# Altium PCB PCB.PcbDoc (part 2 of 3) (continued)
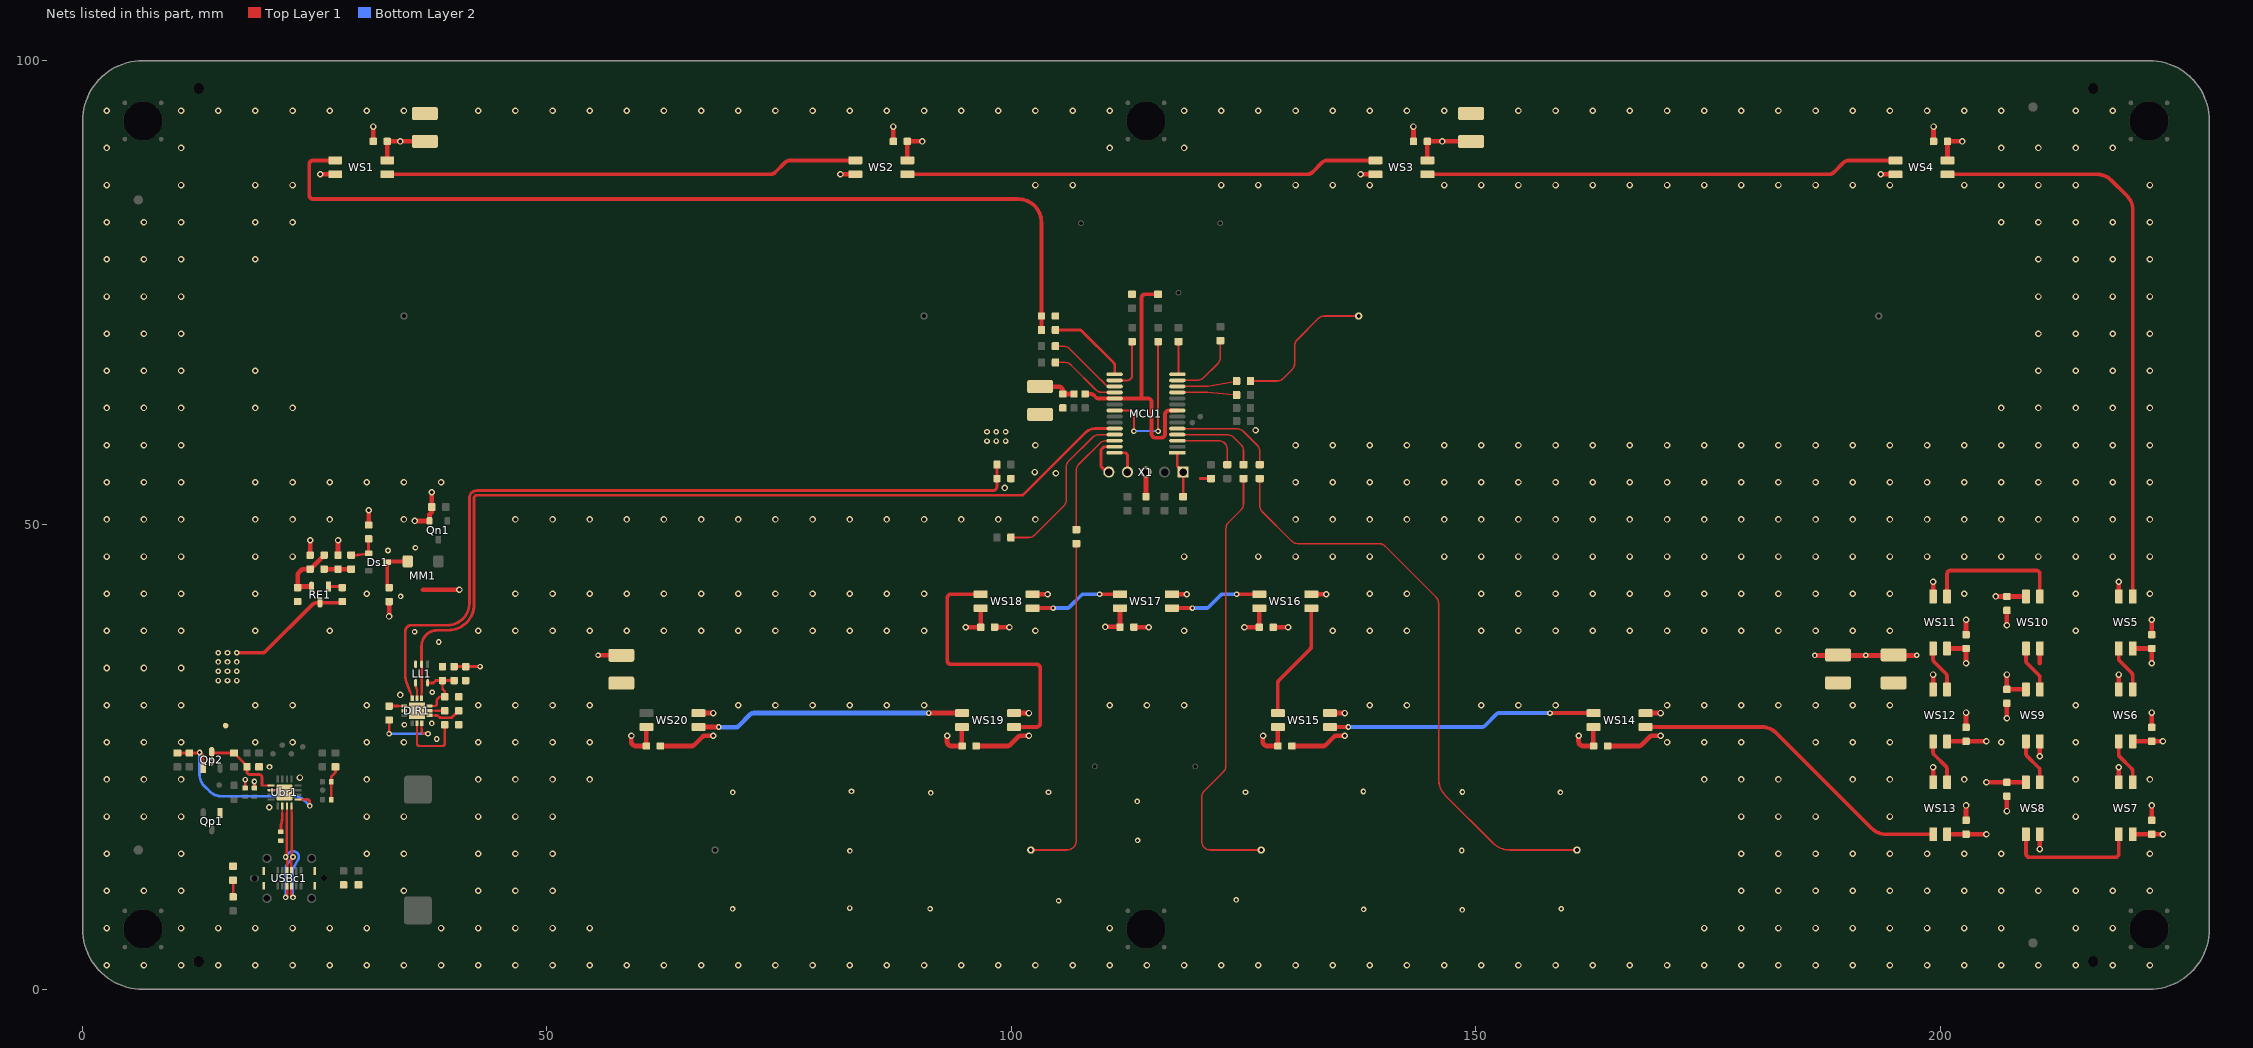
[diagram p2: the nets of this part, all layers, seen from the top]
## Part data (continued)
R29: library part "0603 10 Ohm ±1% (B)", "10 R (XIO) ±1% 1/10W 50V ±400ppm/°C", Case/Package=0603, Manufacturer 1="Uniroyal Elec", Manufacturer Part Number 1=0603WAF100JT5E, Operating Temperature="-55°C ~ 155°C", Power (Watts)=1/10W, Supplier Part Number 1=C22859, Temperature Coefficient=±400ppm/°C, Tolerance=±1%, Voltage=50V, Assembly type="Basic Part", Detailed Description="100mW Thick Film Resistors ±1% ±400ppm/℃ 10Ω 0603  Chip Resistor - Surface Mount ROHS", Footprint check status=Verified, HelpURL=https://datasheet.lcsc.com/szlcsc/Uniroyal-Elec-0603WAF100JT5E_C22859.pdf, MountType=SMD, Note="Chip Resistor - Surface Mount", Publisher="Catcatcat Electronics", QuantityElements=1, Supplier 1=LCSC, Supplier Unit Price 1=0.0009, Supplier URL 1=https://jlcpcb.com/parts/componentSearch?searchTxt=C22859, website developer=http://catcatcat.d-lan.dp.ua/
RE1: library part "XC6206P332MR (B)", "LDO 5.0V 3.3V 200mA Fixed 3.3V~3.3V Positive 6V SOT-23-3L  Linear Voltage Regulators (LDO) ROHS", Case/Package=SOT-23-3L, Current - Output (Max)=200mA, Manufacturer 1="Torex Semicon", Operating Temperature="-40C to +85C", Supplier Part Number 1=C5446, Voltage=3.3V, Voltage - Input (Min)/(Max)=5V, Assembly type="Basic Part", Detailed Description="200mA Fixed 3.3V~3.3V Positive 6V SOT-23-3L  Linear Voltage Regulators (LDO) ROHS", Footprint check status=Verified, HelpURL=https://eu.mouser.com/datasheet/2/760/TOSL_S_A0007229533_1-2575067.pdf, Manufacturer Part Number 1=XC6206P332MR, Marking=662V, MountType=SMD, Note="LOW DROPOUT REGULATORS(LDO)", Publisher="Catcatcat Electronics", QuantityElements=1, Supplier 1=LCSC, Supplier Unit Price 1=0.0992, Supplier URL 1=https://jlcpcb.com/parts/componentSearch?searchTxt=C5446, website developer=http://catcatcat.d-lan.dp.ua/
RN1 RN2 RN3 RN4 RN5 RN6: library part "Round Nut M2.5xL7.0S (E)", "Nuts Tinning Copper, M2.5 Round Nut L7.0mm", Case/Package=SMD-M2.5x5.56xLxx+1.53, Manufacturer 1=Sinhoo, Supplier Part Number 1=C2916328, Assembly type="Extended Part", Detailed Description="Round Nut M2.5x5.56xLxx+1.53  Nuts ROHS", Footprint check status=Verified, HelpURL=https://datasheet.lcsc.com/lcsc/2112061830_Sinhoo-SMTSO2570CTJ_C2916328.pdf, Manufacturer Part Number 1=SMTSO2570CTJ, MountType=SMD+TH, Note="Round Nut", Publisher="Catcatcat Electronics", Supplier 1=LCSC, Supplier Unit Price 1=0.0965, Supplier URL 1=https://www.lcsc.com/product-detail/SMD-round-nut_Sinhoo-SMTSO2570CTJ_C2916328.html, website developer=http://catcatcat.d-lan.dp.ua/
TO1 TO2 TO3 TO4: library part Tooling_Holes_1.152MM, "For Assembly", Case/Package="Tooling Hole 1.152mm", Assembly type="Tooling Hole", Footprint check status=Verified, Note="Tooling Hole", Publisher="Catcatcat Electronics", Supplier 1=LCSC, Supplier URL 1=https://jlcpcb.com/parts/componentSearch?searchTxt=, website developer=http://catcatcat.d-lan.dp.ua/
TP1 TP2 TP3 TP4 TP5 TP6 TP7 TP8 TP9: library part "Test_Point smd_0.6", "Test Point TOP", Assembly type="Test Point", Footprint check status=Verified, Note="Test Point", Publisher="Catcatcat Electronics", Supplier 1=LCSC, Supplier URL 1=https://jlcpcb.com/parts/componentSearch?searchTxt=, website developer=http://catcatcat.d-lan.dp.ua/
TSE1 TSE2 TSE3 TSE4 TSE5 TSE6 TSE7 TSE8: "Touch Sensors,", Case/Package=d10mm, Assembly type="PCB component", Footprint check status=Verified, Publisher="Catcatcat Electronics", website developer=http://catcatcat.d-lan.dp.ua/
Ubr1: library part "CH343P (E)", "USB Bridge, USB 2.0 Transceiver 2Mbps TQFN-16-EP(3x3)", Case/Package=TQFN-16-EP(3x3), Manufacturer 1="WCH(Jiangsu Qin Heng)", Supplier Part Number 1=C2846043, Assembly type="Extended Part", Detailed Description="USB 2.0 Transceiver 2Mbps SOP-16_150mil USB ICs ROHS", Footprint check status=Verified, HelpURL=https://datasheet.lcsc.com/lcsc/2108172330_WCH-Jiangsu-Qin-Heng-CH343P_C2846043.pdf, Manufacturer Part Number 1=CH343P, MountType=SMD, Note=USB, Publisher="Catcatcat Electronics", QuantityElements=1, Supplier 1=LCSC, Supplier Unit Price 1=1.1284, Supplier URL 1=https://jlcpcb.com/parts/componentSearch?searchTxt=C2846043, website developer=http://catcatcat.d-lan.dp.ua/
USBc1: library part "GT-USB-7055E (E)", "Type C V USB 2.0 5A 1 Brick nogging 16P Female -40℃~+85℃ Gold High Conductivity Copper Type-C SMD  USB Connectors ROHS", Case/Package=SMD, Manufacturer 1=G-Switch, Supplier Part Number 1=C7450622, Temp.Characteristic="-20C to +70C", Assembly type="Extended Part", Detailed Description="USB 2.0 5A 1 Brick nogging 16P Female -40℃~+85℃ Gold High Conductivity Copper Type-C SMD  USB Connectors ROHS", Footprint check status=Verified, HelpURL=https://wmsc.lcsc.com/wmsc/upload/file/pdf/v2/lcsc/2307121106_G-Switch-GT-USB-7055E_C7450622.pdf, Manufacturer Part Number 1=GT-USB-7055E, MountType=SMT/TH, Note="DIP+SMD USB Connectors RoHS", Publisher="Catcatcat Electronics", QuantityElements=1, Supplier 1=LCSC, Supplier Unit Price 1=0.2603, Supplier URL 1=https://www.lcsc.com/product-detail/USB-Connectors_G-Switch-GT-USB-7055E_C7450622.html, website developer=http://catcatcat.d-lan.dp.ua/
WS1 WS2 WS3 WS4 WS5 WS6 WS7 WS8 WS9 WS10 WS11 WS12 WS13 WS14 WS15 WS16 WS17 WS18 WS19 WS20: library part "SK6812MINI-EA (E)", "TTB 12mA 5.2V -40℃~+80℃ RGB LEDs(Built-in IC)", Case/Package=SMD, Manufacturer 1="OPSCO Optoelectronics", Supplier Part Number 1=C5378731, Temp.Characteristic="-40C to +85C", Voltage=+3.7~+5.3V, Assembly type="Extended Part", Data Protocol=NRZ, Data structure="GRB 24bit", Detailed Description="12mA 5.2V -40℃~+80℃ RGB SMD  Light Emitting Diodes (LED) ROHS", Footprint check status=Verified, HelpURL=https://datasheet.lcsc.com/lcsc/2304101800_OPSCO-Optoelectronics-SK6812MINI-EA_C5378731.pdf, Manufacturer Part Number 1=SK6812MINI-EA, MountType=SMD, Note="IN THE HOLE OF THE PCB", Publisher="Catcatcat Electronics", QuantityElements=1, Supplier 1=LCSC, Supplier Unit Price 1=0.1573, Supplier URL 1=https://www.lcsc.com/product-detail/Light-Emitting-Diodes-LED_OPSCO-Optoelectronics-SK6812MINI-EA_C5378731.html, website developer=http://catcatcat.d-lan.dp.ua/
X1: "2.0 mm", Operating Temperature=-40℃~+105℃, Temp.Characteristic="-40C to +85C", Assembly type="Manual Part", Footprint check status=Verified, Manufacturer 1=http://www.jinlingdz.com, MountType=TH, Note=Connector, Publisher="Catcatcat Electronics", QuantityElements=1, Supplier URL 1=https://jlcpcb.com/parts/componentSearch?searchTxt=, website developer=http://catcatcat.d-lan.dp.ua/

## Via types
v1: diameter 0.7, hole 0.4, Top Layer 1 to Bottom Layer 2, tented both sides, 616 vias
v2: diameter 0.6, hole 0.3, Top Layer 1 to Bottom Layer 2, tented both sides, 83 vias

## Nets (pads, with @x,y where several pads share a name; then routed paths per layer and width w, separated by ;. In a path a pad name is that pad's centre, name@x,y a point inside that pad or via, vN(x,y) a via of type N, cw(c..) or ccw(c..) an arc to the next point about the centre after c; other vN are vias at no path point)
+3.3V: C14.2 C17.2 FB3.2 RE1.2 | length 6.7
  Top Layer 1 w0.5: RE1.2@24.656,43.379 23.3,43.379 C17.2@23.15,43.259 23.15,44.543 cw(c23.65,44.543) 23.295,44.895 23.504,45.104 cw(c23.857,44.75) 23.857,45.25 C14.2@24.5,45.25 FB3.2@26,46.75
+5.0V: C4.2 C5.1 C7.2 C16.2 C18.1 C19.1 C20.1 C21.1 C22.1 C24.2 C25.2 C26.2 C27.2 C28.2 C29.2 C30.2 C31.2 C32.2 C33.2 C34.2 C35.2 C36.2 C37.2 C38.2 C39.2 C40.2 C41.2 C42.2 C43.2 FB1.1 FB2.2 LD4.2 Qp2.3 R25.2 RE1.3 TP8.1 Ubr1.1 WS1.1 WS2.1 WS3.1 WS4.1 WS5.1 WS6.1 WS7.1 WS8.1 WS9.1 WS10.1 WS11.1 WS12.1 WS13.1 WS14.1 WS15.1 WS16.1 WS17.1 WS18.1 WS19.1 WS20.1 | length 125.4
  Top Layer 1 w0.2: 19.304,21.976 19.33,21.95 Ubr1.1@20.3,21.95
  Top Layer 1 w0.3: Qp2.3@13.9,25.577 14.027,25.45 R25.2@16.305,25.45 17.555,24.2 LD4.2@17.7,23.95 ; LD4.2@17.7,23.995 17.7,23.429 ccw(c18,23.429) 18,23.129 19.004,23.129 cw(c19.004,22.829) 19.304,22.829 19.304,21.976 ; FB2.2@40,34.75 C7.2@41.25,34.75 v2(42.8,34.75)
  Top Layer 1 w0.4: v2(16.6,36.25) 19.389,36.25 ccw(c19.389,36.65) 19.671,36.367 24.697,41.392 cw(c25.262,40.826) 25.262,41.626 27.757,41.626 C16.2@27.957,41.759
  Top Layer 1 w0.5: WS1.1@32.8,89.25 C24.2@32.8,91.3 C18.1@36.847,91.3 ; v2(55.5,35.97) C20.1@58,35.97 ; v1@59.074,27.274 59.074,26.7 ccw(c59.574,26.7) 59.574,26.2 C43.2@60.7,26.2 ; C43.2@60.674,26.226 WS20.1@60.674,28.224 ; WS2.1@88.8,89.25 C25.2@88.8,91.3 v1(90.4,91.3) ; v1@93.074,27.274 93.074,26.7 ccw(c93.574,26.7) 93.574,26.2 C42.2@94.7,26.2 ; C42.2@94.674,26.226 WS19.1@94.674,28.224 ; v1(95.1,39) C41.2@96.7,39 WS18.1@96.7,41.05 ; C5.1@103.1,64.9 105.05,64.9 cw(c105.05,64.4) 105.55,64.4 C4.2@105.55,64.1 FB1.1@106.75,64.1 ; v1(110.1,39.025) 111.7,39.025 WS17.1@111.7,41.05 ; v1(125.1,39) C39.2@126.7,39 WS16.1@126.7,41.05 ; v1@127.074,27.274 127.074,26.7 ccw(c127.574,26.7) 127.574,26.2 C38.2@128.7,26.2 ; C38.2@128.674,26.226 WS15.1@128.674,28.224 ; WS3.1@144.8,89.25 C26.2@144.8,91.3 v1(146.4,91.3) C19.1@149.5,91.3 ; v1@161.074,27.274 161.074,26.7 ccw(c161.574,26.7) 161.574,26.2 C37.2@162.7,26.2 ; C37.2@162.674,26.226 WS14.1@162.674,28.224 ; v2(186.5,35.95) v2@197.423,35.95 ; WS13.1@200.75,16.7 C36.2@202.8,16.7 202.95,16.7 v1(205,16.7) ; WS12.1@200.75,26.7 C35.2@202.8,26.7 v1(205,26.7) ; WS11.1@200.75,36.7 C34.2@202.8,36.7 v1(202.8,35.1) ; WS4.1@200.8,89.25 C27.2@200.8,91.3 v1(202.4,91.3) ; v1(205,22.3) C31.2@207.2,22.3 WS8.1@209.25,22.3 ; v1(206,42.3) 207.05,42.3 C33.2@207.2,42.3 WS10.1@209.25,42.3 ; v1(207.2,33.9) C32.2@207.2,32.3 WS9.1@209.25,32.3 ; WS7.1@220.75,16.7 C30.2@222.8,16.7 222.95,16.7 v1(224,16.7) ; WS6.1@220.75,26.7 C29.2@222.8,26.7 v1(224,26.7) ; WS5.1@220.75,36.7 C28.2@222.8,36.7 v1(222.8,35.1)
  other v1: 59.1,27.3 93.1,27.3 127.1,27.3 161.1,27.3 34.2,91.3
  other v2: 14.6,33.25 15.6,33.25 16.6,33.25 14.6,34.25 15.6,34.25 16.6,34.25 14.6,35.25 15.6,35.25 16.6,35.25 192,35.974 197.5,35.974 14.6,36.25 15.6,36.25 97.378,59.028 98.378,59.028 99.378,59.028 97.378,60.028 98.378,60.028 99.378,60.028
\MCLR: MCU1.1 R2.2 X1.1 | length 5
  Top Layer 1 w0.3: MCU1.1@117.875,57.775 117.875,56.325 X1.1@118.5,55.7 R2.2@118.5,53.05
AND: R16.2 TSE3.1 | length 16
  Top Layer 1 w0.17: R16.2@125.75,65.5 128.613,65.5 ccw(c128.613,66.435) 129.273,65.773 130.227,66.727 ccw(c129.565,67.387) 130.5,67.387 130.5,69.288 cw(c131.435,69.288) 130.773,69.948 133.052,72.227 cw(c133.712,71.565) 133.712,72.5 TSE3.1@137.4,72.5
BUZZER: C2.2 DIR1.3 R3.2 | length 87.1
  Top Layer 1 w0.2: 35.284,32 35.475,31.5 DIR1.3@35.5,31.35
  Top Layer 1 w0.3: 35.284,32 34.858,33.115 cw(c36.4,33.702) 34.75,33.702 34.75,38.562 cw(c35.388,38.562) 35.388,39.2 39.252,39.2 ccw(c39.252,41.598) 41.65,41.598 41.65,52.898 41.65,52.9 cw(c42.45,52.9) 42.45,53.7 97.996,53.7 ccw(c97.996,54) 98.029,53.702 98.058,53.705 ccw(c98.009,54.151) 98.458,54.151 R3.2@98.458,56.5
D_N: Ubr1.8 USBc1.A7 USBc1.B7 | length 12.9
  Top Layer 1 w0.2: 22.5,18.95 Ubr1.8@22.5,19.75
  Top Layer 1 w0.266: USBc1.A7@22,11.15 22.017,11.133 v2@22.017,10.056 ; USBc1.B7@22.5,12.75 22.483,12.767 22.483,13.993 22.65,14.16 v2(22.65,14.25) 22.5,14.4 22.5,18.95
  Bottom Layer 2 w0.266: v2(21.85,9.9) 21.85,12.913 cw(c22.916,12.913) 21.99,13.442 cw(c22.686,13.046) 22.102,13.594 22.312,13.817 ccw(c21.85,14.25) 22.351,13.863 v2(22.65,14.25)
D_P: Ubr1.7 USBc1.A6 USBc1.B6 | length 14.8
  Top Layer 1 w0.2: 22,18.95 Ubr1.7@22,19.75
  Top Layer 1 w0.266: USBc1.B6@22,12.75 22.017,12.767 22.017,13.313 22.017,13.993 21.85,14.16 v2(21.85,14.25) 22,14.4 22,18.95 ; v2@22.483,10.056 22.483,10.587 22.483,11.133 USBc1.A6@22.5,11.15
  Bottom Layer 2 w0.266: v2(21.85,14.25) 22.149,14.637 cw(c22.65,14.25) 23.198,13.933 22.686,13.046 ccw(c22.916,12.913) 22.65,12.913 v2(22.65,9.9)
DA01: C23.2 R22.2 WS1.4 | length 98.5
  Top Layer 1 w0.4: WS1.4@27.2,89.25 24.8,89.25 ccw(c24.8,88.85) 24.4,88.85 24.4,85.5 ccw(c24.8,85.5) 24.8,85.1 100.699,85.1 100.7,85.1 cw(c100.691,82.541) 103.25,82.55 103.25,82.548 103.25,72.7 R22.2@103.25,71
DA02: WS1.2 WS2.4 | length 51
  Top Layer 1 w0.4: WS1.2@32.8,87.75 74.019,87.75 ccw(c74.019,88.55) 74.583,87.983 75.617,89.017 cw(c76.181,88.45) 76.181,89.25 WS2.4@83.2,89.25
DA03: WS2.2 WS3.4 | length 51
  Top Layer 1 w0.4: WS2.2@88.8,87.75 131.855,87.75 ccw(c131.855,88.55) 132.419,87.983 133.453,89.017 cw(c134.017,88.45) 134.017,89.25 WS3.4@139.2,89.25
DA04: WS3.2 WS4.4 | length 51
  Top Layer 1 w0.4: WS3.2@144.8,87.75 188.019,87.75 ccw(c188.019,88.55) 188.583,87.983 189.617,89.017 cw(c190.181,88.45) 190.181,89.25 WS4.4@195.2,89.25
DA05: WS4.2 WS5.4 | length 63.5
  Top Layer 1 w0.4: WS4.2@200.8,87.75 216.912,87.75 cw(c216.912,85.55) 218.468,87.106 220.106,85.468 cw(c218.55,83.912) 220.75,83.912 WS5.4@220.75,42.3
DA06: WS5.2 WS6.4 | length 5
  Top Layer 1 w0.4: WS5.2@219.25,36.7 219.25,35.611 ccw(c219.65,35.611) 219.367,35.329 220.634,34.062 cw(c220.35,33.78) 220.75,33.78 WS6.4@220.75,32.3
DA07: WS6.2 WS7.4 | length 5
  Top Layer 1 w0.4: WS6.2@219.25,26.7 219.25,25.31 ccw(c219.65,25.31) 219.367,25.028 220.633,23.761 cw(c220.35,23.479) 220.75,23.479 WS7.4@220.75,22.3
DA08: WS7.2 WS8.4 | length 14.6
  Top Layer 1 w0.4: WS8.4@209.25,16.7 209.25,14.617 ccw(c209.65,14.617) 209.65,14.217 218.85,14.217 ccw(c218.85,14.617) 219.25,14.617 WS7.2@219.25,16.7
DA09: WS8.2 WS9.4 | length 5
  Top Layer 1 w0.4: WS9.4@209.25,26.7 209.25,25.407 ccw(c209.65,25.407) 209.367,25.124 210.633,23.858 cw(c210.35,23.575) 210.75,23.575 WS8.2@210.75,22.3
DA10: WS9.2 WS10.4 | length 5
  Top Layer 1 w0.4: WS10.4@209.25,36.7 209.25,35.39 ccw(c209.65,35.39) 209.367,35.107 210.633,33.841 cw(c210.35,33.558) 210.75,33.558 WS9.2@210.75,32.3
DA11: WS10.2 WS11.4 | length 15.3
  Top Layer 1 w0.4: WS11.4@200.75,42.3 200.75,44.7 cw(c201.15,44.7) 201.15,45.1 210.35,45.1 cw(c210.35,44.7) 210.75,44.7 WS10.2@210.75,42.3
DA12: WS11.2 WS12.4 | length 5
  Top Layer 1 w0.4: WS11.2@199.25,36.7 199.25,35.534 ccw(c199.65,35.534) 199.367,35.252 200.634,33.985 cw(c200.35,33.703) 200.75,33.703 WS12.4@200.75,32.3
DA13: WS12.2 WS13.4 | length 5
  Top Layer 1 w0.4: WS12.2@199.25,26.7 199.25,25.535 ccw(c199.65,25.535) 199.367,25.253 200.634,23.986 cw(c200.35,23.704) 200.75,23.704 WS13.4@200.75,22.3
DA14: WS13.2 WS14.4 | length 35.5
  Top Layer 1 w0.4: WS14.4@168.3,28.25 180.807,28.25 cw(c180.807,26.05) 182.362,27.606 192.624,17.344 ccw(c194.179,18.9) 194.179,16.7 WS13.2@199.25,16.7
DA15: WS14.2 WS15.4 | length 29
  Top Layer 1 w0.4: WS15.4@134.3,28.25 v2(136.3,28.25) ; v2(158,29.75) WS14.2@162.7,29.75
  Bottom Layer 2 w0.4: v2(136.3,28.25) 150.684,28.25 ccw(c150.684,28.65) 150.967,28.367 152.233,29.633 cw(c152.516,29.35) 152.516,29.75 v2(158,29.75)
DA16: WS15.2 WS16.4 | length 12.8
  Top Layer 1 w0.4: WS15.2@128.7,29.75 128.7,32.992 cw(c129.1,32.992) 128.817,33.274 132.183,36.641 ccw(c131.9,36.923) 132.3,36.923 WS16.4@132.3,41.05
DA17: WS16.2 WS17.4 | length 10
  Top Layer 1 w0.4: WS17.4@117.3,41.05 v2(119.5,41.05) ; v2(124.25,42.55) WS16.2@126.7,42.55
  Bottom Layer 2 w0.4: v2(119.5,41.05) 120.984,41.05 ccw(c120.984,41.45) 121.267,41.167 122.533,42.433 cw(c122.816,42.15) 122.816,42.55 v2(124.25,42.55)
DA18: WS17.2 WS18.4 | length 10
  Top Layer 1 w0.4: WS18.4@102.3,41.05 v2(104.5,41.05) ; v2(109.5,42.55) WS17.2@111.7,42.55
  Bottom Layer 2 w0.4: v2(104.5,41.05) 105.984,41.05 ccw(c105.984,41.45) 106.267,41.167 107.533,42.433 cw(c107.816,42.15) 107.816,42.55 v2(109.5,42.55)
DA19: WS18.2 WS19.4 | length 30
  Top Layer 1 w0.4: WS18.2@96.7,42.55 93.5,42.55 ccw(c93.5,42.15) 93.1,42.15 93.1,35.398 ccw(c93.5,35.4) 93.498,35 102.7,35 cw(c102.7,34.6) 103.1,34.6 103.1,28.65 cw(c102.7,28.65) 102.7,28.25 WS19.4@100.3,28.25
DA20: WS19.2 WS20.4 | length 29
  Top Layer 1 w0.5: WS20.4@66.3,28.25 v2(68.5,28.25) ; v2(91.1,29.75) WS19.2@94.7,29.75
  Bottom Layer 2 w0.5: v2(68.5,28.25) 70.314,28.227 70.315,28.227 ccw(c70.32,28.727) 70.673,28.373 71.904,29.604 cw(c72.257,29.25) 72.257,29.75 v2(91.1,29.75)
GATE: LD5.1 Qp2.1 R28.1 Ubr1.9 | length 21.8
  Top Layer 1 w0.2: Ubr1.9@23.2,20.45 24,20.45
  Top Layer 1 w0.3: R28.1@10.2,25.45 12.585,25.45 ccw(c12.585,25.75) v2@12.6,25.45 ; v2@12.712,25.45 12.898,25.264 cw(c12.685,25.052) 12.985,25.052 Qp2.1@12.985,23.823 ; 24,20.45 24.16,20.45 cw(c24.16,20.15) 24.46,20.152 v2(24.462,19.75)
  Bottom Layer 2 w0.3: v2(12.6,25.5) 12.6,23.082 ccw(c14.25,23.083) 13.082,21.918 13.717,21.283 ; v2(24.462,19.75) 24,20.212 23.895,20.317 ccw(c22.729,19.15) 22.729,20.8 19.5,20.8 14.883,20.8 cw(c14.883,22.45) 13.718,21.282 ; 13.717,21.283 13.718,21.282
GND: C1.1 C2.1 C3.1 C4.1 C5.2 C6.1 C7.1 C9.2 C10.1 C12.1 C13.1 C14.1 C15.1 C16.1 C17.1 C18.2 C19.2 C20.2 C21.2 C22.2 C23.1 C24.1 C25.1 C26.1 C27.1 C28.1 C29.1 C30.1 C31.1 C32.1 C33.1 C34.1 C35.1 C36.1 C37.1 C38.1 C39.1 C40.1 C41.1 C42.1 C43.1 C44.2 C45.2 C47.1 C48.1 DIR1.5 DIR1.13 LL1.3 MCU1.8 MCU1.19 MM1.3 Qn1.2 Qp1.1 R6.1 R14.1 R15.1 R21.1 R24.2 R26.1 R27.2 R29.1 R30.1 R31.2 RE1.1 Ubr1.2 Ubr1.17 USBc1.A1 USBc1.A12 USBc1.B1 USBc1.B12 WS1.3 WS2.3 WS3.3 WS4.3 WS5.3 WS6.3 WS7.3 WS8.3 WS9.3 WS10.3 WS11.3 WS12.3 WS13.3 WS14.3 WS15.3 WS16.3 WS17.3 WS18.3 WS19.3 WS20.3 X1.3 | length 138.9
  Top Layer 1 w0.2: Ubr1.2@20.3,21.45 21.5,21.45 Ubr1.17@21.75,21.2
  Top Layer 1 w0.3: C45.2@17.5,21.675 v2(17.5,22.588) ; C44.2@18.5,21.675 v2(18.5,22.375) ; RE1.1@26.486,43.379 27.837,43.379 C16.1@27.957,43.259 ; R27.2@26.775,20.435 R24.2@26.775,22.35 26.775,22.773 cw(c27.075,22.773) 26.862,22.985 27.133,23.255 ccw(c26.92,23.467) 27.22,23.467 R26.1@27.22,23.95 ; 120.345,55 R6.1@121.5,55
  Top Layer 1 w0.4: C3.1@107.95,64.1 108.577,64.1 cw(c108.577,63.7) 108.86,63.983 109.101,63.742 ccw(c109.384,64.025) 109.384,63.625 MCU1.19@111.125,63.625 114.015,63.625 ; R15.1@115.8,74.85 114.415,74.85 ccw(c114.415,74.45) 114.015,74.451 114.015,63.625 ; MCU1.8@117.875,62.325 116.95,62.325 ccw(c116.95,61.925) 116.55,61.925 116.55,59.802 cw(c116.15,59.802) 116.15,59.402 115.5,59.402 cw(c115.5,59.802) 115.1,59.802 115.1,63.225 ccw(c114.7,63.225) 114.7,63.625 114.015,63.625
  Top Layer 1 w0.5: C14.1@24.5,46.75 v1(24.5,48.35) ; v1(25.6,87.75) WS1.3@27.2,87.75 ; C13.1@27.5,46.75 v1(27.5,48.35) ; C12.1@30.8,50 v1(30.8,51.6) ; C24.1@31.3,91.3 v1(31.3,92.9) ; v1(33,40.15) C15.1@33,41.75 ; v1(35.75,50.435) Qn1.2@37.35,50.435 37.35,51.13 37.6,51.38 R21.1@37.6,51.925 v1(37.6,53.525) ; MM1.3@36.65,43.025 v1(40.576,43.025) ; C43.1@62.2,26.2 65.531,26.2 ccw(c65.531,26.7) 65.884,26.346 66.692,27.154 cw(c67.045,26.8) 67.045,27.3 v1(67.9,27.3) ; WS20.3@66.3,29.75 v1(67.9,29.75) ; v1(81.6,87.75) WS2.3@83.2,87.75 ; C25.1@87.3,91.3 v1(87.3,92.9) ; C42.1@96.2,26.2 99.531,26.2 ccw(c99.531,26.7) 99.884,26.346 100.692,27.154 cw(c101.045,26.8) 101.045,27.3 v1(101.9,27.3) ; C41.1@98.2,39 v1(99.8,39) ; C2.1@99.958,55 C2.1@100.108,55 ; WS19.3@100.3,29.75 v1(101.9,29.75) ; WS18.3@102.3,42.55 v1(103.9,42.55) ; C40.1@113.2,39 v1(114.8,39) ; C1.1@114.5,53.05 X1.3@114.5,55.7 ; WS17.3@117.3,42.55 v1(118.9,42.55) ; C39.1@128.2,39 v1(129.8,39) ; C38.1@130.2,26.2 133.531,26.2 ccw(c133.531,26.7) 133.884,26.346 134.692,27.154 cw(c135.045,26.8) 135.045,27.3 v1(135.9,27.3) ; WS16.3@132.3,42.55 v1(133.9,42.55) ; WS15.3@134.3,29.75 v1(135.9,29.75) ; v1(137.6,87.75) WS3.3@139.2,87.75 ; C26.1@143.3,91.3 v1(143.3,92.9) ; C37.1@164.2,26.2 167.531,26.2 ccw(c167.531,26.7) 167.884,26.346 168.692,27.154 cw(c169.045,26.8) 169.045,27.3 v1(169.9,27.3) ; WS14.3@168.3,29.75 v1(169.9,29.75) ; v1(193.6,87.75) WS4.3@195.2,87.75 ; WS13.3@199.25,22.3 v1(199.25,23.9) ; WS12.3@199.25,32.3 v1(199.25,33.9) ; WS11.3@199.25,42.3 v1(199.25,43.9) ; C27.1@199.3,91.3 v1(199.3,92.9) ; C36.1@202.8,18.2 v1(202.8,19.8) ; C35.1@202.8,28.2 v1(202.8,29.8) ; C34.1@202.8,38.2 v1(202.8,39.8) ; v1(207.2,19.2) C31.1@207.2,20.8 ; v1(207.2,29.2) C32.1@207.2,30.8 ; v1(207.2,39.2) C33.1@207.2,40.8 ; v1(210.75,15.1) WS8.3@210.75,16.7 ; v1(210.75,25.1) WS9.3@210.75,26.7 ; 210.75,35.1 WS10.3@210.75,36.7 ; WS7.3@219.25,22.3 v1(219.25,23.9) ; WS6.3@219.25,32.3 v1(219.25,33.9) ; WS5.3@219.25,42.3 v1(219.25,43.9) ; C30.1@222.8,18.2 v1(222.8,19.8) ; C29.1@222.8,28.2 v1(222.8,29.8) ; C28.1@222.8,38.2 v1(222.8,39.8)
  other v1: 2.6,2.6 6.6,2.6 10.6,2.6 14.6,2.6 18.6,2.6 22.6,2.6 26.6,2.6 30.6,2.6 34.6,2.6 38.6,2.6 42.6,2.6 46.6,2.6 50.6,2.6 54.6,2.6 58.6,2.6 62.6,2.6 66.6,2.6 70.6,2.6 74.6,2.6 78.6,2.6 82.6,2.6 86.6,2.6 90.6,2.6 94.6,2.6 98.6,2.6 102.6,2.6 106.6,2.6 110.6,2.6 114.6,2.6 118.6,2.6 122.6,2.6 126.6,2.6 130.6,2.6 134.6,2.6 138.6,2.6 142.6,2.6 146.6,2.6 150.6,2.6 154.6,2.6 158.6,2.6 162.6,2.6 166.6,2.6 170.6,2.6 174.6,2.6 178.6,2.6 182.6,2.6 186.6,2.6 190.6,2.6 194.6,2.6 198.6,2.6 202.6,2.6 206.6,2.6 210.6,2.6 214.6,2.6 218.6,2.6 222.6,2.6 2.6,6.6 10.6,6.6 14.6,6.6 18.6,6.6 22.6,6.6 26.6,6.6 30.6,6.6 38.6,6.6 42.6,6.6 46.6,6.6 50.6,6.6 54.6,6.6 110.6,6.6 174.6,6.6 178.6,6.6 182.6,6.6 186.6,6.6 190.6,6.6 194.6,6.6 198.6,6.6 202.6,6.6 206.6,6.6 214.6,6.6 218.6,6.6 2.6,10.6 6.6,10.6 10.6,10.6 34.6,10.6 42.6,10.6 46.6,10.6 50.6,10.6 178.6,10.6 182.6,10.6 186.6,10.6 190.6,10.6 194.6,10.6 198.6,10.6 202.6,10.6 206.6,10.6 210.6,10.6 214.6,10.6 218.6,10.6 222.6,10.6 2.6,14.6 10.6,14.6 30.6,14.6 34.6,14.6 42.6,14.6 46.6,14.6 50.6,14.6 178.6,14.6 182.6,14.6 186.6,14.6 190.6,14.6 194.6,14.6 198.6,14.6 202.6,14.6 206.6,14.6 222.6,14.6 2.6,18.6 6.6,18.6 10.6,18.6 30.6,18.6 34.6,18.6 42.6,18.6 46.6,18.6 50.6,18.6 178.6,18.6 182.6,18.6 186.6,18.6 194.6,18.6 214.6,18.6 20.1,19.6 2.6,22.6 6.6,22.6 10.6,22.6 30.6,22.6 42.6,22.6 46.6,22.6 50.6,22.6 54.6,22.6 174.6,22.6 178.6,22.6 182.6,22.6 190.6,22.6 194.6,22.6 202.6,22.6 214.6,22.6 222.6,22.6 23.4,22.8 13.864,24.428 2.6,26.6 6.6,26.6 10.6,26.6 18.6,26.6 22.6,26.6 30.6,26.6 34.6,26.6 42.6,26.6 46.6,26.6 50.6,26.6 54.6,26.6 170.6,26.6 174.6,26.6 178.6,26.6 186.6,26.6 190.6,26.6 194.6,26.6 206.6,26.6 214.6,26.6 2.6,30.6 6.6,30.6 10.6,30.6 18.6,30.6 22.6,30.6 30.6,30.6 42.6,30.6 46.6,30.6 50.6,30.6 54.6,30.6 70.6,30.6 74.6,30.6 78.6,30.6 82.6,30.6 86.6,30.6 90.6,30.6 110.6,30.6 114.6,30.6 118.6,30.6 138.6,30.6 142.6,30.6 150.6,30.6 154.6,30.6 158.6,30.6 170.6,30.6 174.6,30.6 178.6,30.6 182.6,30.6 186.6,30.6 190.6,30.6 194.6,30.6 214.6,30.6 34.2,31.7 2.6,34.6 6.6,34.6 10.6,34.6 2.6,38.6 6.6,38.6 10.6,38.6 18.6,38.6 26.6,38.6 42.6,38.6 46.6,38.6 50.6,38.6 54.6,38.6 58.6,38.6 62.6,38.6 66.6,38.6 70.6,38.6 74.6,38.6 78.6,38.6 82.6,38.6 86.6,38.6 90.6,38.6 102.6,38.6 118.6,38.6 134.6,38.6 138.6,38.6 142.6,38.6 150.6,38.6 154.6,38.6 158.6,38.6 162.6,38.6 166.6,38.6 170.6,38.6 174.6,38.6 178.6,38.6 182.6,38.6 186.6,38.6 190.6,38.6 194.6,38.6 214.6,38.6 2.6,42.6 6.6,42.6 10.6,42.6 18.6,42.6 30.6,42.6 46.6,42.6 50.6,42.6 54.6,42.6 58.6,42.6 62.6,42.6 66.6,42.6 70.6,42.6 74.6,42.6 78.6,42.6 82.6,42.6 86.6,42.6 90.6,42.6 138.6,42.6 142.6,42.6 150.6,42.6 154.6,42.6 158.6,42.6 162.6,42.6 166.6,42.6 170.6,42.6 174.6,42.6 178.6,42.6 182.6,42.6 186.6,42.6 190.6,42.6 194.6,42.6 202.6,42.6 214.6,42.6 222.6,42.6 2.6,46.6 6.6,46.6 10.6,46.6 18.6,46.6 22.6,46.6 118.6,46.6 126.6,46.6 130.6,46.6 134.6,46.6 138.6,46.6 146.6,46.6 150.6,46.6 154.6,46.6 158.6,46.6 162.6,46.6 166.6,46.6 170.6,46.6 174.6,46.6 178.6,46.6 182.6,46.6 186.6,46.6 190.6,46.6 194.6,46.6 198.6,46.6 202.6,46.6 206.6,46.6 210.6,46.6 214.6,46.6 218.6,46.6 222.6,46.6 2.6,50.6 6.6,50.6 10.6,50.6 18.6,50.6 22.6,50.6 26.6,50.6 34.6,50.6 46.6,50.6 50.6,50.6 54.6,50.6 58.6,50.6 62.6,50.6 66.6,50.6 70.6,50.6 74.6,50.6 78.6,50.6 82.6,50.6 86.6,50.6 90.6,50.6 94.6,50.6 98.6,50.6 102.6,50.6 130.6,50.6 134.6,50.6 138.6,50.6 142.6,50.6 146.6,50.6 150.6,50.6 154.6,50.6 158.6,50.6 162.6,50.6 166.6,50.6 170.6,50.6 174.6,50.6 178.6,50.6 182.6,50.6 186.6,50.6 190.6,50.6 194.6,50.6 198.6,50.6 202.6,50.6 206.6,50.6 210.6,50.6 214.6,50.6 218.6,50.6 222.6,50.6 99.277,53.987 2.6,54.6 6.6,54.6 10.6,54.6 18.6,54.6 22.6,54.6 26.6,54.6 30.6,54.6 34.6,54.6 38.6,54.6 130.6,54.6 134.6,54.6 138.6,54.6 142.6,54.6 146.6,54.6 150.6,54.6 154.6,54.6 158.6,54.6 162.6,54.6 166.6,54.6 170.6,54.6 174.6,54.6 178.6,54.6 182.6,54.6 186.6,54.6 190.6,54.6 194.6,54.6 198.6,54.6 202.6,54.6 206.6,54.6 210.6,54.6 214.6,54.6 218.6,54.6 222.6,54.6 104.807,55.58 102.523,55.7 2.6,58.6 6.6,58.6 10.6,58.6 102.6,58.6 130.6,58.6 134.6,58.6 138.6,58.6 142.6,58.6 146.6,58.6 150.6,58.6 154.6,58.6 158.6,58.6 162.6,58.6 166.6,58.6 170.6,58.6 174.6,58.6 178.6,58.6 182.6,58.6 186.6,58.6 190.6,58.6 194.6,58.6 198.6,58.6 202.6,58.6 206.6,58.6 210.6,58.6 214.6,58.6 218.6,58.6 222.6,58.6 126.296,60.187 2.6,62.6 6.6,62.6 10.6,62.6 18.6,62.6 22.6,62.6 206.6,62.6 210.6,62.6 214.6,62.6 218.6,62.6 222.6,62.6 2.6,66.6 6.6,66.6 10.6,66.6 18.6,66.6 210.6,66.6 214.6,66.6 218.6,66.6 222.6,66.6 2.6,70.6 6.6,70.6 10.6,70.6 210.6,70.6 214.6,70.6 218.6,70.6 222.6,70.6 2.6,74.6 6.6,74.6 10.6,74.6 210.6,74.6 214.6,74.6 218.6,74.6 222.6,74.6 2.6,78.6 6.6,78.6 10.6,78.6 18.6,78.6 210.6,78.6 214.6,78.6 218.6,78.6 222.6,78.6 2.6,82.6 6.6,82.6 10.6,82.6 18.6,82.6 22.6,82.6 206.6,82.6 210.6,82.6 214.6,82.6 218.6,82.6 222.6,82.6 2.6,86.6 10.6,86.6 18.6,86.6 22.6,86.6 102.6,86.6 106.6,86.6 122.6,86.6 126.6,86.6 130.6,86.6 134.6,86.6 138.6,86.6 146.6,86.6 150.6,86.6 154.6,86.6 158.6,86.6 162.6,86.6 166.6,86.6 170.6,86.6 174.6,86.6 178.6,86.6 182.6,86.6 186.6,86.6 190.6,86.6 194.6,86.6 202.6,86.6 206.6,86.6 210.6,86.6 214.6,86.6 222.6,86.6 2.6,90.6 10.6,90.6 110.6,90.6 118.6,90.6 206.6,90.6 210.6,90.6 214.6,90.6 218.6,90.6 2.6,94.6 10.6,94.6 14.6,94.6 18.6,94.6 22.6,94.6 26.6,94.6 30.6,94.6 34.6,94.6 42.6,94.6 46.6,94.6 50.6,94.6 54.6,94.6 58.6,94.6 62.6,94.6 66.6,94.6 70.6,94.6 74.6,94.6 78.6,94.6 82.6,94.6 86.6,94.6 90.6,94.6 94.6,94.6 98.6,94.6 102.6,94.6 106.6,94.6 110.6,94.6 118.6,94.6 122.6,94.6 126.6,94.6 130.6,94.6 134.6,94.6 138.6,94.6 142.6,94.6 146.6,94.6 154.6,94.6 158.6,94.6 162.6,94.6 166.6,94.6 170.6,94.6 174.6,94.6 178.6,94.6 182.6,94.6 186.6,94.6 190.6,94.6 194.6,94.6 198.6,94.6 202.6,94.6 206.6,94.6 214.6,94.6 218.6,94.6
  other v2: 148.553,8.553 137.924,8.61 69.981,8.656 159.205,8.667 91.254,8.674 82.603,8.749 105.086,9.546 124.224,9.625 82.622,14.901 148.509,14.947 113.6,16.031 113.565,20.24 91.328,21.147 70,21.2 104.002,21.221 125.217,21.221 159.125,21.199 148.565,21.245 82.789,21.315 137.913,21.302 20.122,23.951 38.142,26.956 34.65,28.5 37.6,28.636 37.65,31.982 38.35,37.4 35.75,38.502 34.232,42.309 32.885,47.25 35.835,47.55
ICSPCLK: MCU1.27 X1.5 | length 5
  Top Layer 1 w0.3: MCU1.27@111.125,58.425 110.1,58.425 ccw(c110.1,58.125) 109.889,58.338 109.739,58.188 ccw(c109.951,57.976) 109.651,57.976 109.651,56.43 ccw(c109.951,56.43) 109.739,56.218 X1.5@110.256,55.7 ; X1.5@110.256,55.7 X1.5@110.5,55.7 ; X1.5@110.256,55.7 X1.5@110.5,55.7 ; X1.5@110.256,55.7 X1.5@110.5,55.7
ICSPDAT: MCU1.28 X1.4 | length 3.3
  Top Layer 1 w0.3: MCU1.28@111.125,57.775 112.2,57.775 cw(c112.2,57.475) 112.5,57.475 X1.4@112.5,55.7
L0: R4.1 TSE6.1 | length 37.5
  Top Layer 1 w0.17: TSE6.1@102.1,15 105.969,15 ccw(c105.969,16.031) 107,16.031 R4.1@107,48
L1: R8.1 TSE7.1 | length 47.7
  Top Layer 1 w0.17: R8.1@125,55 125,52.279 cw(c124.065,52.279) 124.727,51.619 123.381,50.272 ccw(c124.043,49.612) 123.108,49.612 123.108,24.09 cw(c122.173,24.09) 122.835,23.43 120.774,21.368 ccw(c121.435,20.707) 120.5,20.707 120.5,15.935 ccw(c121.435,15.935) 121.435,15 TSE7.1@126.9,15
LED1: LD2.2 MCU1.21 | length 16.3
  Top Layer 1 w0.2: MCU1.21@111.125,62.325 111.794,62.325 112.68,62.325 cw(c112.678,61.803) 113.2,61.803 v2(113.2,60.102) ; v2(115.8,60.102) LD2.2@115.8,69.75
  Bottom Layer 2 w0.2: v2(113.2,60.102) v2(115.8,60.102)
LED2: LD1.2 MCU1.16 | length 5.8
  Top Layer 1 w0.2: MCU1.16@111.125,65.575 112.491,65.575 ccw(c112.491,66.084) 113,66.084 LD1.2@113,69.75
LED_DATA: MCU1.15 R22.1 | length 9
  Top Layer 1 w0.3: R22.1@104.75,71 107.346,71 cw(c107.346,70.7) 107.558,70.913 111.038,67.433 cw(c110.825,67.221) 111.125,67.221 MCU1.15@111.125,66.225
mAND: MCU1.12 R16.1 | length 6.4
  Top Layer 1 w0.17: MCU1.12@117.875,64.925 121.038,64.925 ccw(c121.038,65.86) 121.205,64.94 123.97,65.443 R16.1@124.25,65.5
mL0: MCU1.26 R4.2 | length 12
  Top Layer 1 w0.17: R4.2@107,49.5 107,55.869 cw(c107.935,55.869) 107.273,56.529 109.546,58.802 cw(c110.206,58.14) 110.206,59.075 MCU1.26@111.125,59.075
mL1: MCU1.4 R8.2 | length 9.5
  Top Layer 1 w0.17: MCU1.4@117.875,59.725 123.263,59.725 cw(c123.263,58.79) 123.923,59.452 124.727,58.648 cw(c124.065,57.988) 125,57.988 125,56.78 R8.2@125,56.5
mMODE: MCU1.5 R9.1 | length 11.5
  Top Layer 1 w0.17: MCU1.5@117.875,60.375 124.298,60.375 cw(c124.298,59.44) 124.958,60.102 126.477,58.583 cw(c125.815,57.923) 126.75,57.923 R9.1@126.75,56.5
mNO: MCU1.11 R12.1 | length 6.4
  Top Layer 1 w0.17: MCU1.11@117.875,64.275 121.038,64.275 cw(c121.038,63.34) 121.118,64.272 123.97,64.027 R12.1@124.25,64
MODE: R9.2 TSE8.1 | length 64.2
  Top Layer 1 w0.17: R9.2@126.75,55 126.75,52.087 ccw(c127.685,52.087) 127.023,51.427 130.178,48.272 ccw(c130.837,48.935) 130.835,48 139.573,48 cw(c139.573,47.065) 140.233,47.727 145.727,42.233 cw(c145.065,41.573) 146,41.573 146,22.691 ccw(c148.635,22.691) 146.773,20.827 151.83,15.77 ccw(c153.691,17.635) 153.691,15 TSE8.1@160.9,15
ModeSOUND: DIR1.1 LL1.2 MCU1.24 | length 97.3
  Top Layer 1 w0.2: DIR1.1@36.5,31.35 36.5,31.523 36.5,32
  Top Layer 1 w0.254: 36.5,32 LL1.2@36.5,35
  Top Layer 1 w0.3: LL1.2@36.5,35 36.5,36.975 cw(c38.191,36.975) 38.191,38.666 39.365,38.666 ccw(c39.365,41.451) 42.15,41.451 42.15,50.28 42.15,52.9 cw(c42.45,52.9) 42.45,53.2 101.093,53.2 ccw(c101.093,53.5) 101.305,53.288 107.935,59.918 cw(c109.041,58.81) 109.041,60.375 MCU1.24@111.125,60.375
mON_OFF: MCU1.25 R5.2 | length 18.1
  Top Layer 1 w0.17: R5.2@99.958,48.65 101.863,48.65 ccw(c101.863,49.585) 102.523,48.923 105.641,52.04 ccw(c104.98,52.701) 105.915,52.701 105.915,56.228 cw(c106.85,56.228) 106.189,56.889 108.752,59.452 cw(c109.412,58.79) 109.412,59.725 MCU1.25@111.125,59.725
mOR: MCU1.17 R17.1 | length 8.1
  Top Layer 1 w0.17: R17.1@104.75,69.25 105.613,69.25 cw(c105.613,68.315) 106.273,68.977 109.102,66.148 ; 109.103,66.147 110.051,65.199 ccw(c110.712,65.86) 110.235,65.056 110.456,64.925 MCU1.17@111.125,64.925
mPS1: MCU1.3 R7.2 | length 7.5
  Top Layer 1 w0.17: MCU1.3@117.875,59.075 122.315,59.075 cw(c122.315,58.14) 123.25,58.14 R7.2@123.25,56.5
mPS2: MCU1.13 R18.1 | length 7.6
  Top Layer 1 w0.17: MCU1.13@117.875,65.575 120.044,65.575 ccw(c120.044,66.51) 120.704,65.848 122.227,67.371 ccw(c121.565,68.031) 122.5,68.031 R18.1@122.5,69.85
mSHIELD: MCU1.14 R19.2 | length 3.6
  Top Layer 1 w0.17: MCU1.14@117.875,66.225 118,66.35 R19.2@118,69.75
mXOR: MCU1.18 R13.1 | length 7.6
  Top Layer 1 w0.17: R13.1@104.75,67.5 105.03,67.5 105.763,67.5 cw(c105.763,66.565) 106.423,67.227 109.103,64.547 ccw(c109.762,65.21) 109.762,64.275 MCU1.18@111.125,64.275
NetC6_2: C6.2 C10.2 DIR1.12 FB2.1 LL1.5 | length 7.2
  Top Layer 1 w0.2: DIR1.12@37.35,30.5 37.896,30.5 ccw(c37.896,30.754) 38,30.522
  Top Layer 1 w0.254: 38,30.522 ccw(c37.896,30.754) 38.15,30.754 38.15,31.095 cw(c38.404,31.095) 38.224,31.274 38.376,31.426 cw(c38.555,31.246) 38.555,31.5 C6.2@39,31.5 39,31.982 ccw(c38.746,31.982) 38.926,32.161 38.824,32.263 cw(c39.004,32.443) 38.75,32.443 C10.2@38.75,33.25
  Top Layer 1 w0.3: LL1.5@37.15,33 37.18,32.97 37.75,32.97 38.03,33.25 C10.2@38.75,33.25 FB2.1@40,33.25
NetC8_1: C8.1 DIR1.11 | length 1.7
  Top Layer 1 w0.2: DIR1.11@37.35,30 38,30
  Top Layer 1 w0.254: 38,30 C8.1@39,30
NetC8_2: C8.2 DIR1.8 | length 7.5
  Top Layer 1 w0.2: 36,28 DIR1.8@36,28.65
  Top Layer 1 w0.254: 36,28 36,26.454 ccw(c36.254,26.454) 36.254,26.2 38.746,26.2 ccw(c38.746,26.454) 39,26.454 C8.2@39,28.5
NetC9_1: C9.1 DIR1.10 | length 3.6
  Top Layer 1 w0.2: DIR1.10@37.35,29.5 38,29.5
  Top Layer 1 w0.3: 38,29.5 38.224,29.5 38.474,29.25 39.75,29.25 C9.1@40.5,30
NetC11_1: C11.1 DIR1.4 | length 1.6
  Top Layer 1 w0.2: 34,30.5 DIR1.4@34.65,30.5
  Top Layer 1 w0.3: C11.1@33,30.5 34,30.5
NetC11_2: C11.2 DIR1.9 | length 7.4
  Top Layer 1 w0.2: 36.506,28 DIR1.9@36.506,28.65
  Top Layer 1 w0.254: v2(33,27.519) C11.2@33,29 ; 36.506,28 36.506,27.773 ccw(c36.76,27.773) 36.76,27.519 v2(37.186,27.519)
  Bottom Layer 2 w0.254: v2(33,27.519) v2(37.186,27.519)
NetC12_2: C12.2 Ds1.1 R20.1 | length 3.4
  Top Layer 1 w0.3: R20.1@28.92,46.75 29.576,46.75 ccw(c29.576,47.05) 29.624,46.754 30.54,46.904 Ds1.1@30.79,46.95 30.79,48.25 C12.2@30.8,48.5
NetC13_2: C13.2 FB3.1 R20.2 | length 2.9
  Top Layer 1 w0.5: FB3.1@26,45.25 R20.2@28.92,45.25
NetC15_2: C15.2 Ds1.3 MM1.1 | length 5
  Top Layer 1 w0.4: C15.2@33,43.25 32.81,43.44 Ds1.3@32.81,46 32.885,46.075 MM1.1@35,46.075
NetC46_1: C46.1 R29.2 | length 1.8
  Top Layer 1 w0.266: C46.1@16.2,9.95 R29.2@16.2,11.75
NetC48_2: C48.2 Ubr1.6 | length 2.8
  Top Layer 1 w0.2: 21.5,18.95 Ubr1.6@21.5,19.75
  Top Layer 1 w0.3: C48.2@21.35,16.967 21.35,17.624 cw(c21.65,17.624) 21.357,17.688 21.481,18.253 ccw(c20.7,18.425) 21.5,18.425 21.5,18.95
NetDIR1_2: DIR1.2 LL1.4 | length 1.7
  Top Layer 1 w0.2: DIR1.2@36,31.35 36,32
  Top Layer 1 w0.254: LL1.4@35.85,33 35.85,32.75 35.988,32.308 cw(c35.746,32.232) 36,32.232 36,32